# Altium PCB AIWAC_A33_RGB5寸LCD驱动板_20190109.PcbDoc (part 7 of 14)
Units mm, origin at the board's own origin, x right, y up, seen from the top; angles counter-clockwise.
Board outline 96.45 x 44.9 mm, 2 copper layers (Top Layer, Bottom Layer); 32 components, 42 nets, 22766 pads, 749 vias.
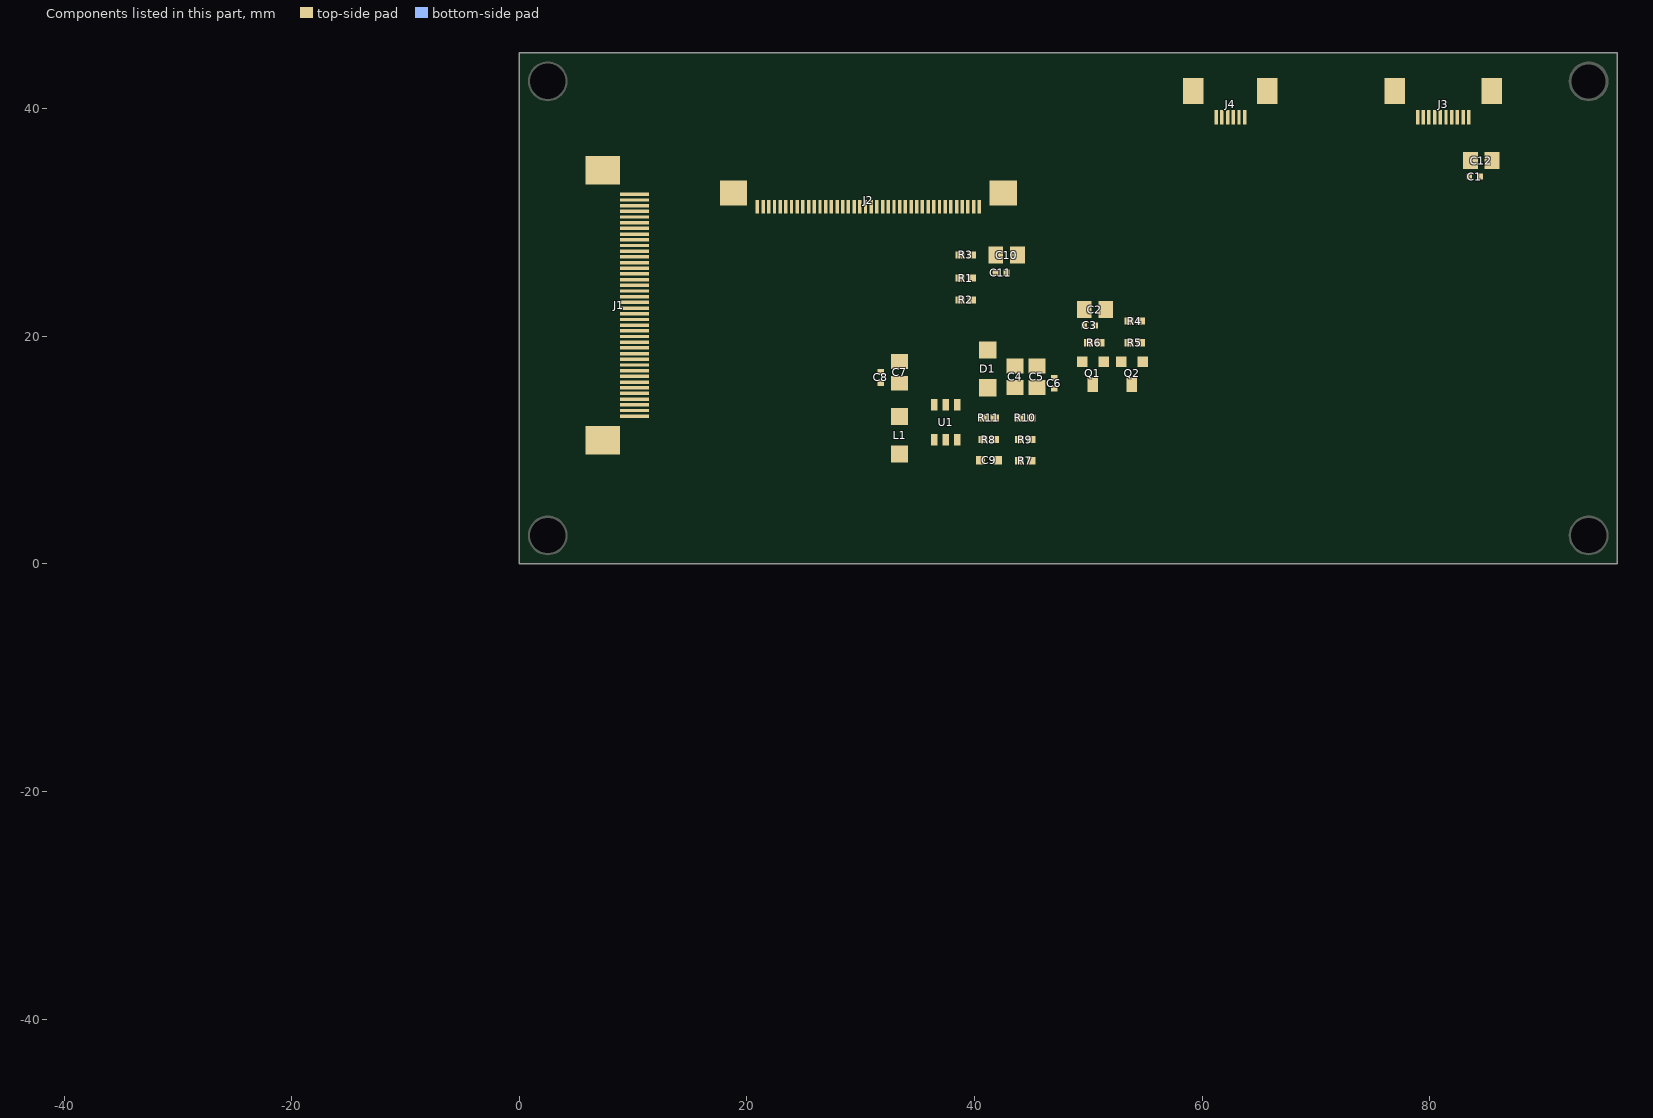
[diagram p7: the components of this part, seen from the top]

## Free pads (board coordinates) (continued)
  round 0 on Mech2: 1(-39.026,-44.102) 1(-39.026,-44.102) 1(-39.026,-44.102) 1(-39.026,-44.102) 1(-39.026,-44.102) 1(-39.026,-44.124) 1(-39.026,-44.124) 1(-39.026,-44.124) 1(-39.026,-44.124) 1(-39.026,-44.124) 1(-39.026,-44.124) 1(-39.026,-44.123) 1(-39.026,-44.123) 1(-39.026,-44.123) 1(-39.026,-44.123) 1(-39.026,-44.123) 1(-39.026,-44.123) 1(-39.026,-44.116) 1(-39.026,-44.116) 1(-39.026,-44.116) 1(-39.026,-44.116) 1(-39.026,-44.116) 1(-39.026,-44.116) 1(-39.026,-44.14) 1(-39.026,-44.14) 1(-39.026,-44.14) 1(-39.026,-44.138) 1(-39.026,-44.138) 1(-39.026,-44.138) 1(-39.026,-44.138) 1(-39.026,-44.138) 1(-39.026,-44.138) 1(-39.026,-44.137) 1(-39.026,-44.137) 1(-39.026,-44.137) 1(-39.026,-44.137) 1(-39.026,-44.137) 1(-39.026,-44.137) 1(-39.026,-44.136) 1(-39.026,-44.136) 1(-39.026,-44.136) 1(-39.026,-44.136) 1(-39.026,-44.136) 1(-39.026,-44.136) 1(-39.026,-44.136) 1(-39.026,-44.136) 1(-39.026,-44.136) 1(-39.026,-44.135) 1(-39.026,-44.135) 1(-39.026,-44.135) 1(-39.026,-44.134) 1(-39.026,-44.134) 1(-39.026,-44.134) 1(-39.026,-44.134) 1(-39.026,-44.134) 1(-39.026,-44.134) 1(-39.026,-44.133) 1(-39.026,-44.133) 1(-39.026,-44.133) 1(-39.026,-44.133) 1(-39.026,-44.133) 1(-39.026,-44.133) 1(-39.026,-44.138) 1(-39.026,-44.138) 1(-39.026,-44.138) 1(-39.026,-44.138) 1(-39.026,-44.138) 1(-39.026,-44.138) 1(-39.026,-44.101) 1(-39.026,-44.101) 1(-39.026,-44.101) 1(-39.026,-44.101) 1(-39.026,-44.101) 1(-39.026,-44.101) 1(-39.026,-44.101) 1(-39.026,-44.101) 1(-39.026,-44.101) 1(-39.026,-44.101) 1(-39.026,-44.101) 1(-39.026,-44.101) 1(-39.026,-44.098) 1(-39.026,-44.098) 1(-39.026,-44.098) 1(-39.026,-44.107) 1(-39.026,-44.107) 1(-39.026,-44.107) 1(-39.026,-44.14) 1(-39.026,-44.14) 1(-39.026,-44.14) 1(-39.026,-44.102) 1(-39.026,-44.102) 1(-39.026,-44.102) 1(-39.026,-44.102) 1(-39.026,-44.102) 1(-39.026,-44.102) 1(-39.026,-44.129) 1(-39.026,-44.129) 1(-39.026,-44.129) 1(-39.026,-44.129) 1(-39.026,-44.129) 1(-39.026,-44.129) 1(-39.026,-44.103) 1(-39.026,-44.103) 1(-39.026,-44.103) 1(-39.026,-44.103) 1(-39.026,-44.103) 1(-39.026,-44.103) 1(-39.026,-44.137) 1(-39.026,-44.137) 1(-39.026,-44.137) 1(-39.026,-44.137) 1(-39.026,-44.137) 1(-39.026,-44.137) 1(-39.026,-44.149) 1(-39.026,-44.149) 1(-39.026,-44.149) 1(-39.026,-44.102) 1(-39.026,-44.102) 1(-39.026,-44.102) 1(-39.026,-44.102) 1(-39.026,-44.102) 1(-39.026,-44.102) 1(-39.026,-44.134) 1(-39.026,-44.134) 1(-39.026,-44.134) 1(-39.026,-44.134) 1(-39.026,-44.134) 1(-39.026,-44.134) 1(-39.026,-44.132) 1(-39.026,-44.132) 1(-39.026,-44.132) 1(-39.026,-44.132) 1(-39.026,-44.132) 1(-39.026,-44.132) 1(-39.026,-44.136) 1(-39.026,-44.136) 1(-39.026,-44.136) 1(-39.026,-44.136) 1(-39.026,-44.136) 1(-39.026,-44.136) 1(-39.026,-44.135) 1(-39.026,-44.135) 1(-39.026,-44.135) 1(-39.026,-44.135) 1(-39.026,-44.135) 1(-39.026,-44.135) 1(-39.026,-44.122) 1(-39.026,-44.122) 1(-39.026,-44.122) 1(-39.026,-44.122) 1(-39.026,-44.122) 1(-39.026,-44.122) 1(-39.026,-44.121) 1(-39.026,-44.121) 1(-39.026,-44.121) 1(-39.026,-44.121) 1(-39.026,-44.121) 1(-39.026,-44.121) 1(-39.025,-44.139) 1(-39.025,-44.139) 1(-39.025,-44.139) 1(-39.025,-44.119) 1(-39.025,-44.119) 1(-39.025,-44.119) 1(-39.025,-44.121) 1(-39.025,-44.121) 1(-39.025,-44.121) 1(-39.025,-44.128) 1(-39.025,-44.128) 1(-39.025,-44.128) 1(-39.025,-44.134) 1(-39.025,-44.134) 1(-39.025,-44.134) 1(-39.025,-44.134) 1(-39.025,-44.134) 1(-39.025,-44.134) 1(-39.025,-44.131) 1(-39.025,-44.131) 1(-39.025,-44.131) 1(-39.025,-44.131) 1(-39.025,-44.131) 1(-39.025,-44.131) 1(-39.025,-44.106) 1(-39.025,-44.106) 1(-39.025,-44.106) 1(-39.025,-44.101) 1(-39.025,-44.101) 1(-39.025,-44.101) 1(-39.025,-44.101) 1(-39.025,-44.101) 1(-39.025,-44.101) 1(-39.025,-44.098) 1(-39.025,-44.098) 1(-39.025,-44.098) 1(-39.025,-44.102) 1(-39.025,-44.102) 1(-39.025,-44.102) 1(-39.025,-44.102) 1(-39.025,-44.102) 1(-39.025,-44.102) 1(-39.025,-44.101) 1(-39.025,-44.101) 1(-39.025,-44.101) 1(-39.025,-44.101) 1(-39.025,-44.101) 1(-39.025,-44.101) 1(-39.025,-44.101) 1(-39.025,-44.101) 1(-39.025,-44.101) 1(-39.025,-44.137) 1(-39.025,-44.137) 1(-39.025,-44.137) 1(-39.025,-44.137) 1(-39.025,-44.137) 1(-39.025,-44.137) 1(-39.025,-44.116) 1(-39.025,-44.116) 1(-39.025,-44.116) 1(-39.025,-44.103) 1(-39.025,-44.103) 1(-39.025,-44.103) 1(-39.025,-44.103) 1(-39.025,-44.103) 1(-39.025,-44.103) 1(-39.025,-44.136) 1(-39.025,-44.136) 1(-39.025,-44.136) 1(-39.025,-44.136) 1(-39.025,-44.136) 1(-39.025,-44.136) 1(-39.025,-44.136) 1(-39.025,-44.136) 1(-39.025,-44.136) 1(-39.025,-44.136) 1(-39.025,-44.136) 1(-39.025,-44.136) 1(-39.025,-44.142) 1(-39.025,-44.142) 1(-39.025,-44.142) 1(-39.025,-44.142) 1(-39.025,-44.142) 1(-39.025,-44.142) 1(-39.025,-44.141) 1(-39.025,-44.141) 1(-39.025,-44.141) 1(-39.025,-44.141) 1(-39.025,-44.141) 1(-39.025,-44.141) 1(-39.025,-44.096) 1(-39.025,-44.096) 1(-39.025,-44.096) 1(-39.025,-44.141) 1(-39.025,-44.141) 1(-39.025,-44.141) 1(-39.025,-44.141) 1(-39.025,-44.141) 1(-39.025,-44.141) 1(-39.025,-44.14) 1(-39.025,-44.14) 1(-39.025,-44.14) 1(-39.025,-44.14) 1(-39.025,-44.14) 1(-39.025,-44.14) 1(-39.025,-44.139) 1(-39.025,-44.139) 1(-39.025,-44.139) 1(-39.025,-44.139) 1(-39.025,-44.139) 1(-39.025,-44.139) 1(-39.025,-44.127) 1(-39.025,-44.127) 1(-39.025,-44.127) 1(-39.025,-44.126) 1(-39.025,-44.126) 1(-39.025,-44.126) 1(-39.025,-44.131) 1(-39.025,-44.131) 1(-39.025,-44.131) 1(-39.025,-44.131) 1(-39.025,-44.131) 1(-39.025,-44.131) 1(-39.025,-44.135) 1(-39.025,-44.135) 1(-39.025,-44.135) 1(-39.025,-44.135) 1(-39.025,-44.135) 1(-39.025,-44.135) 1(-39.025,-44.135) 1(-39.025,-44.135) 1(-39.025,-44.135) 1(-39.025,-44.135) 1(-39.025,-44.135) 1(-39.025,-44.135) 1(-39.025,-44.139) 1(-39.025,-44.139) 1(-39.025,-44.139) 1(-39.025,-44.139) 1(-39.025,-44.139) 1(-39.025,-44.139) 1(-39.025,-44.131) 1(-39.025,-44.131) 1(-39.025,-44.131) 1(-39.025,-44.109) 1(-39.025,-44.109) 1(-39.025,-44.109) 1(-39.025,-44.108) 1(-39.025,-44.108) 1(-39.025,-44.108) 1(-39.025,-44.108) 1(-39.025,-44.108) 1(-39.025,-44.108) 1(-39.024,-44.146) 1(-39.024,-44.146) 1(-39.024,-44.146) 1(-39.024,-44.142) 1(-39.024,-44.142) 1(-39.024,-44.142) 1(-39.024,-44.142) 1(-39.024,-44.142) 1(-39.024,-44.142) 1(-39.024,-44.108) 1(-39.024,-44.108) 1(-39.024,-44.108) 1(-39.024,-44.108) 1(-39.024,-44.108) 1(-39.024,-44.108) 1(-39.024,-44.123) 1(-39.024,-44.123) 1(-39.024,-44.123) 1(-39.024,-44.123) 1(-39.024,-44.123) 1(-39.024,-44.123) 1(-39.024,-44.115) 1(-39.024,-44.115) 1(-39.024,-44.115) 1(-39.024,-44.115) 1(-39.024,-44.115) 1(-39.024,-44.115) 1(-39.024,-44.133) 1(-39.024,-44.133) 1(-39.024,-44.133) 1(-39.024,-44.132) 1(-39.024,-44.132) 1(-39.024,-44.132) 1(-39.024,-44.131) 1(-39.024,-44.131) 1(-39.024,-44.131) 1(-39.024,-44.13) 1(-39.024,-44.13) 1(-39.024,-44.13) 1(-39.024,-44.129) 1(-39.024,-44.129) 1(-39.024,-44.129) 1(-39.024,-44.128) 1(-39.024,-44.128) 1(-39.024,-44.128) 1(-39.024,-44.128) 1(-39.024,-44.128) 1(-39.024,-44.128) 1(-39.024,-44.124) 1(-39.024,-44.124) 1(-39.024,-44.124) 1(-39.024,-44.132) 1(-39.024,-44.132) 1(-39.024,-44.132) 1(-39.024,-44.132) 1(-39.024,-44.132) 1(-39.024,-44.132) 1(-39.024,-44.128) 1(-39.024,-44.128) 1(-39.024,-44.128) 1(-39.024,-44.128) 1(-39.024,-44.128) 1(-39.024,-44.128) 1(-39.024,-44.101) 1(-39.024,-44.101) 1(-39.024,-44.101) 1(-39.024,-44.101) 1(-39.024,-44.101) 1(-39.024,-44.101) 1(-39.024,-44.102) 1(-39.024,-44.102) 1(-39.024,-44.102) 1(-39.024,-44.102) 1(-39.024,-44.102) 1(-39.024,-44.102) 1(-39.024,-44.102) 1(-39.024,-44.102) 1(-39.024,-44.102) 1(-39.024,-44.101) 1(-39.024,-44.101) 1(-39.024,-44.101) 1(-39.024,-44.101) 1(-39.024,-44.101) 1(-39.024,-44.101) 1(-39.024,-44.149) 1(-39.024,-44.149) 1(-39.024,-44.149) 1(-39.024,-44.14) 1(-39.024,-44.14) 1(-39.024,-44.14) 1(-39.024,-44.14) 1(-39.024,-44.14) 1(-39.024,-44.14) 1(-39.024,-44.14) 1(-39.024,-44.14) 1(-39.024,-44.14) 1(-39.024,-44.133) 1(-39.024,-44.133) 1(-39.024,-44.133) 1(-39.024,-44.133) 1(-39.024,-44.133) 1(-39.024,-44.133) 1(-39.024,-44.139) 1(-39.024,-44.139) 1(-39.024,-44.139) 1(-39.024,-44.138) 1(-39.024,-44.138) 1(-39.024,-44.138) 1(-39.024,-44.138) 1(-39.024,-44.138) 1(-39.024,-44.138) 1(-39.024,-44.137) 1(-39.024,-44.137) 1(-39.024,-44.137) 1(-39.024,-44.137) 1(-39.024,-44.137) 1(-39.024,-44.137) 1(-39.024,-44.137) 1(-39.024,-44.137) 1(-39.024,-44.137) 1(-39.024,-44.136) 1(-39.024,-44.136) 1(-39.024,-44.136) 1(-39.024,-44.135) 1(-39.024,-44.135) 1(-39.024,-44.135) 1(-39.024,-44.135) 1(-39.024,-44.135) 1(-39.024,-44.135) 1(-39.024,-44.135) 1(-39.024,-44.135) 1(-39.024,-44.135) 1(-39.024,-44.134) 1(-39.024,-44.134) 1(-39.024,-44.134) 1(-39.024,-44.134) 1(-39.024,-44.134) 1(-39.024,-44.134) 1(-39.024,-44.128) 1(-39.024,-44.128) 1(-39.024,-44.128) 1(-39.024,-44.128) 1(-39.024,-44.128) 1(-39.024,-44.128) 1(-39.024,-44.114) 1(-39.024,-44.114) 1(-39.024,-44.114) 1(-39.024,-44.114) 1(-39.024,-44.114) 1(-39.024,-44.114) 1(-39.024,-44.107) 1(-39.024,-44.107) 1(-39.024,-44.107) 1(-39.023,-44.141) 1(-39.023,-44.141) 1(-39.023,-44.141) 1(-39.023,-44.142) 1(-39.023,-44.142) 1(-39.023,-44.142) 1(-39.023,-44.14) 1(-39.023,-44.14) 1(-39.023,-44.14) 1(-39.023,-44.14) 1(-39.023,-44.14) 1(-39.023,-44.14) 1(-39.023,-44.14) 1(-39.023,-44.14) 1(-39.023,-44.14) 1(-39.023,-44.106) 1(-39.023,-44.106) 1(-39.023,-44.106) 1(-39.023,-44.127) 1(-39.023,-44.127) 1(-39.023,-44.127) 1(-39.023,-44.122) 1(-39.023,-44.122) 1(-39.023,-44.122) 1(-39.023,-44.122) 1(-39.023,-44.122) 1(-39.023,-44.122) 1(-39.023,-44.122) 1(-39.023,-44.122) 1(-39.023,-44.122) 1(-39.023,-44.114) 1(-39.023,-44.114) 1(-39.023,-44.114) 1(-39.023,-44.114) 1(-39.023,-44.114) 1(-39.023,-44.114) 1(-39.023,-44.134) 1(-39.023,-44.134) 1(-39.023,-44.134) 1(-39.023,-44.134) 1(-39.023,-44.134) 1(-39.023,-44.134) 1(-39.023,-44.128) 1(-39.023,-44.128) 1(-39.023,-44.128) 1(-39.023,-44.128) 1(-39.023,-44.128) 1(-39.023,-44.128) 1(-39.023,-44.133) 1(-39.023,-44.133) 1(-39.023,-44.133) 1(-39.023,-44.133) 1(-39.023,-44.133) 1(-39.023,-44.133) 1(-39.023,-44.132) 1(-39.023,-44.132) 1(-39.023,-44.132) 1(-39.023,-44.131) 1(-39.023,-44.131) 1(-39.023,-44.131) 1(-39.023,-44.131) 1(-39.023,-44.131) 1(-39.023,-44.131) 1(-39.023,-44.129) 1(-39.023,-44.129) 1(-39.023,-44.129) 1(-39.023,-44.138) 1(-39.023,-44.138) 1(-39.023,-44.138) 1(-39.023,-44.138) 1(-39.023,-44.138) 1(-39.023,-44.138) 1(-39.023,-44.135) 1(-39.023,-44.135) 1(-39.023,-44.135) 1(-39.023,-44.135) 1(-39.023,-44.135) 1(-39.023,-44.135) 1(-39.023,-44.101) 1(-39.023,-44.101) 1(-39.023,-44.101) 1(-39.023,-44.101) 1(-39.023,-44.101) 1(-39.023,-44.101) 1(-39.023,-44.103) 1(-39.023,-44.103) 1(-39.023,-44.103) 1(-39.023,-44.101) 1(-39.023,-44.101) 1(-39.023,-44.101) 1(-39.023,-44.137) 1(-39.023,-44.137) 1(-39.023,-44.137) 1(-39.023,-44.137) 1(-39.023,-44.137) 1(-39.023,-44.137) 1(-39.023,-44.135) 1(-39.023,-44.135) 1(-39.023,-44.135) 1(-39.023,-44.135) 1(-39.023,-44.135) 1(-39.023,-44.135) 1(-39.023,-44.134) 1(-39.023,-44.134) 1(-39.023,-44.134) 1(-39.023,-44.134) 1(-39.023,-44.134) 1(-39.023,-44.134) 1(-39.022,-44.127) 1(-39.022,-44.127) 1(-39.022,-44.127) 1(-39.022,-44.127) 1(-39.022,-44.127) 1(-39.022,-44.127) 1(-39.022,-44.114) 1(-39.022,-44.114) 1(-39.022,-44.114) 1(-39.022,-44.114) 1(-39.022,-44.114) 1(-39.022,-44.114) 1(-39.022,-44.146) 1(-39.022,-44.146) 1(-39.022,-44.146) 1(-39.022,-44.143) 1(-39.022,-44.143) 1(-39.022,-44.143) 1(-39.022,-44.143) 1(-39.022,-44.143) 1(-39.022,-44.143) 1(-39.022,-44.141) 1(-39.022,-44.141) 1(-39.022,-44.141) 1(-39.022,-44.141) 1(-39.022,-44.141) 1(-39.022,-44.141) 1(-39.022,-44.141) 1(-39.022,-44.141) 1(-39.022,-44.141) 1(-39.022,-44.139) 1(-39.022,-44.139) 1(-39.022,-44.139) 1(-39.022,-44.136) 1(-39.022,-44.136) 1(-39.022,-44.136) 1(-39.022,-44.136) 1(-39.022,-44.136) 1(-39.022,-44.136) 1(-39.022,-44.134) 1(-39.022,-44.134) 1(-39.022,-44.134) 1(-39.022,-44.134) 1(-39.022,-44.134) 1(-39.022,-44.134) 1(-39.022,-44.102) 1(-39.022,-44.102) 1(-39.022,-44.102) 1(-39.022,-44.102) 1(-39.022,-44.102) 1(-39.022,-44.102) 1(-39.022,-44.128) 1(-39.022,-44.128) 1(-39.022,-44.128) 1(-39.022,-44.128) 1(-39.022,-44.128) 1(-39.022,-44.128) 1(-39.022,-44.097) 1(-39.022,-44.097) 1(-39.022,-44.097) 1(-39.022,-44.131) 1(-39.022,-44.131) 1(-39.022,-44.131) 1(-39.022,-44.131) 1(-39.022,-44.131) 1(-39.022,-44.131) 1(-39.022,-44.142) 1(-39.022,-44.142) 1(-39.022,-44.142) 1(-39.022,-44.142) 1(-39.022,-44.142) 1(-39.022,-44.142) 1(-39.022,-44.149) 1(-39.022,-44.149) 1(-39.022,-44.149) 1(-39.022,-44.14) 1(-39.022,-44.14) 1(-39.022,-44.14) 1(-39.022,-44.14) 1(-39.022,-44.14) 1(-39.022,-44.14) 1(-39.022,-44.14) 1(-39.022,-44.14) 1(-39.022,-44.14) 1(-39.022,-44.107) 1(-39.022,-44.107) 1(-39.022,-44.107) 1(-39.022,-44.107) 1(-39.022,-44.107) 1(-39.022,-44.107) 1(-39.022,-44.103) 1(-39.022,-44.103) 1(-39.022,-44.103) 1(-39.022,-44.103) 1(-39.022,-44.103) 1(-39.022,-44.103) 1(-39.022,-44.11) 1(-39.022,-44.11) 1(-39.022,-44.11) 1(-39.022,-44.11) 1(-39.022,-44.11) 1(-39.022,-44.11) 1(-39.022,-44.137) 1(-39.022,-44.137) 1(-39.022,-44.137) 1(-39.022,-44.137) 1(-39.022,-44.137) 1(-39.022,-44.137) 1(-39.022,-44.132) 1(-39.022,-44.132) 1(-39.022,-44.132) 1(-39.022,-44.132) 1(-39.022,-44.132) 1(-39.022,-44.132) 1(-39.022,-44.125) 1(-39.022,-44.125) 1(-39.022,-44.125) 1(-39.022,-44.123) 1(-39.022,-44.123) 1(-39.022,-44.123) 1(-39.022,-44.115) 1(-39.022,-44.115) 1(-39.022,-44.115) 1(-39.022,-44.127) 1(-39.022,-44.127) 1(-39.022,-44.127) 1(-39.022,-44.119) 1(-39.022,-44.119) 1(-39.022,-44.119) 1(-39.022,-44.141) 1(-39.022,-44.141) 1(-39.022,-44.141) 1(-39.021,-44.102) 1(-39.021,-44.102) 1(-39.021,-44.102) 1(-39.021,-44.102) 1(-39.021,-44.102) 1(-39.021,-44.102) 1(-39.021,-44.141) 1(-39.021,-44.141) 1(-39.021,-44.141) 1(-39.021,-44.141) 1(-39.021,-44.141) 1(-39.021,-44.141) 1(-39.021,-44.141) 1(-39.021,-44.141) 1(-39.021,-44.141) 1(-39.021,-44.107) 1(-39.021,-44.107) 1(-39.021,-44.107) 1(-39.021,-44.107) 1(-39.021,-44.107) 1(-39.021,-44.107) 1(-39.021,-44.102) 1(-39.021,-44.102) 1(-39.021,-44.102) 1(-39.021,-44.102) 1(-39.021,-44.102) 1(-39.021,-44.102) 1(-39.021,-44.14) 1(-39.021,-44.14) 1(-39.021,-44.14) 1(-39.021,-44.142) 1(-39.021,-44.142) 1(-39.021,-44.142) 1(-39.021,-44.142) 1(-39.021,-44.142) 1(-39.021,-44.142) 1(-39.021,-44.131) 1(-39.021,-44.131) 1(-39.021,-44.131) 1(-39.021,-44.131) 1(-39.021,-44.131) 1(-39.021,-44.131) 1(-39.021,-44.143) 1(-39.021,-44.143) 1(-39.021,-44.143) 1(-39.021,-44.143) 1(-39.021,-44.143) 1(-39.021,-44.143) 1(-39.021,-44.133) 1(-39.021,-44.133) 1(-39.021,-44.133) 1(-39.021,-44.133) 1(-39.021,-44.133) 1(-39.021,-44.133) 1(-39.021,-44.132) 1(-39.021,-44.132) 1(-39.021,-44.132) 1(-39.021,-44.131) 1(-39.021,-44.131) 1(-39.021,-44.131) 1(-39.021,-44.131) 1(-39.021,-44.131) 1(-39.021,-44.131) 1(-39.021,-44.129) 1(-39.021,-44.129) 1(-39.021,-44.129) 1(-39.021,-44.135) 1(-39.021,-44.135) 1(-39.021,-44.135) 1(-39.021,-44.108) 1(-39.021,-44.108) 1(-39.021,-44.108) 1(-39.021,-44.108) 1(-39.021,-44.108) 1(-39.021,-44.108) 1(-39.021,-44.098) 1(-39.021,-44.098) 1(-39.021,-44.098) 1(-39.021,-44.098) 1(-39.021,-44.098) 1(-39.021,-44.098) 1(-39.021,-44.138) 1(-39.021,-44.138) 1(-39.021,-44.138) 1(-39.02,-44.146) 1(-39.02,-44.146) 1(-39.02,-44.146) 1(-39.02,-44.143) 1(-39.02,-44.143) 1(-39.02,-44.143) 1(-39.02,-44.143) 1(-39.02,-44.143) 1(-39.02,-44.143) 1(-39.02,-44.14) 1(-39.02,-44.14) 1(-39.02,-44.14) 1(-39.02,-44.14) 1(-39.02,-44.14) 1(-39.02,-44.14) 1(-39.02,-44.113) 1(-39.02,-44.113) 1(-39.02,-44.113) 1(-39.02,-44.151) 1(-39.02,-44.151) 1(-39.02,-44.151) 1(-39.02,-44.149) 1(-39.02,-44.149) 1(-39.02,-44.149) 1(-39.02,-44.141) 1(-39.02,-44.141) 1(-39.02,-44.141) 1(-39.02,-44.14) 1(-39.02,-44.14) 1(-39.02,-44.14) 1(-39.02,-44.14) 1(-39.02,-44.14) 1(-39.02,-44.14) 1(-39.02,-44.097) 1(-39.02,-44.097) 1(-39.02,-44.097) 1(-39.02,-44.097) 1(-39.02,-44.097) 1(-39.02,-44.097) 1(-39.02,-44.143) 1(-39.02,-44.143) 1(-39.02,-44.143) 1(-39.02,-44.143) 1(-39.02,-44.143) 1(-39.02,-44.143) 1(-39.02,-44.143) 1(-39.02,-44.143) 1(-39.02,-44.143) 1(-39.02,-44.143) 1(-39.02,-44.143) 1(-39.02,-44.143) 1(-39.02,-44.098) 1(-39.02,-44.098) 1(-39.02,-44.098) 1(-39.02,-44.097) 1(-39.02,-44.097) 1(-39.02,-44.097) 1(-39.02,-44.097) 1(-39.02,-44.097) 1(-39.02,-44.097) 1(-39.02,-44.094) 1(-39.02,-44.094) 1(-39.02,-44.094) 1(-39.019,-44.111) 1(-39.019,-44.111) 1(-39.019,-44.111) 1(-39.019,-44.111) 1(-39.019,-44.111) 1(-39.019,-44.111) 1(-39.019,-44.134) 1(-39.019,-44.134) 1(-39.019,-44.134) 1(-39.019,-44.134) 1(-39.019,-44.134) 1(-39.019,-44.134) 1(-39.019,-44.133) 1(-39.019,-44.133) 1(-39.019,-44.133) 1(-39.019,-44.131) 1(-39.019,-44.131) 1(-39.019,-44.131) 1(-39.019,-44.129) 1(-39.019,-44.129) 1(-39.019,-44.129) 1(-39.019,-44.097) 1(-39.019,-44.097) 1(-39.019,-44.097) 1(-39.019,-44.097) 1(-39.019,-44.097) 1(-39.019,-44.097) 1(-39.019,-44.103) 1(-39.019,-44.103) 1(-39.019,-44.103) 1(-39.019,-44.11) 1(-39.019,-44.11) 1(-39.019,-44.11) 1(-39.019,-44.11) 1(-39.019,-44.11) 1(-39.019,-44.11) 1(-39.019,-44.139) 1(-39.019,-44.139) 1(-39.019,-44.139) 1(-39.019,-44.139) 1(-39.019,-44.139) 1(-39.019,-44.139) 1(-39.019,-44.138) 1(-39.019,-44.138) 1(-39.019,-44.138) 1(-39.019,-44.13) 1(-39.019,-44.13) 1(-39.019,-44.13) 1(-39.019,-44.13) 1(-39.019,-44.13) 1(-39.019,-44.13) 1(-39.019,-44.13) 1(-39.019,-44.13) 1(-39.019,-44.13) 1(-39.019,-44.13) 1(-39.019,-44.13) 1(-39.019,-44.13) 1(-39.019,-44.11) 1(-39.019,-44.11) 1(-39.019,-44.11) 1(-39.019,-44.11) 1(-39.019,-44.11) 1(-39.019,-44.11) 1(-39.019,-44.106) 1(-39.019,-44.106) 1(-39.019,-44.106) 1(-39.019,-44.106) 1(-39.019,-44.106) 1(-39.019,-44.106) 1(-39.019,-44.132) 1(-39.019,-44.132) 1(-39.019,-44.132) 1(-39.019,-44.107) 1(-39.019,-44.107) 1(-39.019,-44.107) 1(-39.019,-44.107) 1(-39.019,-44.107) 1(-39.019,-44.107) 1(-39.019,-44.131) 1(-39.019,-44.131) 1(-39.019,-44.131) 1(-39.019,-44.131) 1(-39.019,-44.131) 1(-39.019,-44.131) 1(-39.019,-44.142) 1(-39.019,-44.142) 1(-39.019,-44.142) 1(-39.019,-44.142) 1(-39.019,-44.142) 1(-39.019,-44.142) 1(-39.019,-44.107) 1(-39.019,-44.107) 1(-39.019,-44.107) 1(-39.019,-44.107) 1(-39.019,-44.107) 1(-39.019,-44.107) 1(-39.019,-44.101) 1(-39.019,-44.101) 1(-39.019,-44.101) 1(-39.019,-44.101) 1(-39.019,-44.101) 1(-39.019,-44.101) 1(-39.019,-44.098) 1(-39.019,-44.098) 1(-39.019,-44.098) 1(-39.018,-44.14) 1(-39.018,-44.14) 1(-39.018,-44.14) 1(-39.018,-44.134) 1(-39.018,-44.134) 1(-39.018,-44.134) 1(-39.018,-44.14) 1(-39.018,-44.14) 1(-39.018,-44.14) 1(-39.018,-44.139) 1(-39.018,-44.139) 1(-39.018,-44.139) 1(-39.018,-44.139) 1(-39.018,-44.139) 1(-39.018,-44.139) 1(-39.018,-44.139) 1(-39.018,-44.139) 1(-39.018,-44.139) 1(-39.018,-44.108) 1(-39.018,-44.108) 1(-39.018,-44.108) 1(-39.018,-44.108) 1(-39.018,-44.108) 1(-39.018,-44.108) 1(-39.018,-44.135) 1(-39.018,-44.135) 1(-39.018,-44.135) 1(-39.018,-44.135) 1(-39.018,-44.135) 1(-39.018,-44.135) 1(-39.018,-44.129) 1(-39.018,-44.129) 1(-39.018,-44.129) 1(-39.018,-44.142) 1(-39.018,-44.142) 1(-39.018,-44.142) 1(-39.018,-44.142) 1(-39.018,-44.142) 1(-39.018,-44.142) 1(-39.018,-44.142) 1(-39.018,-44.142) 1(-39.018,-44.142) 1(-39.018,-44.142) 1(-39.018,-44.142) 1(-39.018,-44.142) 1(-39.018,-44.108) 1(-39.018,-44.108) 1(-39.018,-44.108) 1(-39.018,-44.108) 1(-39.018,-44.108) 1(-39.018,-44.108) 1(-39.018,-44.137) 1(-39.018,-44.137) 1(-39.018,-44.137) 1(-39.018,-44.137) 1(-39.018,-44.137) 1(-39.018,-44.137) 1(-39.018,-44.136) 1(-39.018,-44.136) 1(-39.018,-44.136) 1(-39.018,-44.136) 1(-39.018,-44.136) 1(-39.018,-44.136) 1(-39.018,-44.147) 1(-39.018,-44.147) 1(-39.018,-44.147) 1(-39.018,-44.128) 1(-39.018,-44.128) 1(-39.018,-44.128) 1(-39.018,-44.128) 1(-39.018,-44.128) 1(-39.018,-44.128) 1(-39.018,-44.142) 1(-39.018,-44.142) 1(-39.018,-44.142) 1(-39.018,-44.142) 1(-39.018,-44.142) 1(-39.018,-44.142) 1(-39.018,-44.141) 1(-39.018,-44.141) 1(-39.018,-44.141) 1(-39.018,-44.141) 1(-39.018,-44.141) 1(-39.018,-44.141) 1(-39.018,-44.141) 1(-39.018,-44.141) 1(-39.018,-44.141) 1(-39.018,-44.141) 1(-39.018,-44.141) 1(-39.018,-44.141) 1(-39.018,-44.141) 1(-39.018,-44.141) 1(-39.018,-44.141) 1(-39.018,-44.108) 1(-39.018,-44.108) 1(-39.018,-44.108) 1(-39.018,-44.108) 1(-39.018,-44.108) 1(-39.018,-44.108) 1(-39.018,-44.128) 1(-39.018,-44.128) 1(-39.018,-44.128) 1(-39.018,-44.128) 1(-39.018,-44.128) 